# Altium PCB TIDA-010933-RevA.PcbDoc (part 4 of 9)
Units mm, origin at the board's own origin, x right, y up, seen from the top; angles counter-clockwise.
Board outline 230 x 230 mm, 4 copper layers (Top Layer, Layer 1, Layer 2, Bottom Layer), stack 1.637 mm thick; 776 components, 394 nets, 2295 pads, 2783 vias.
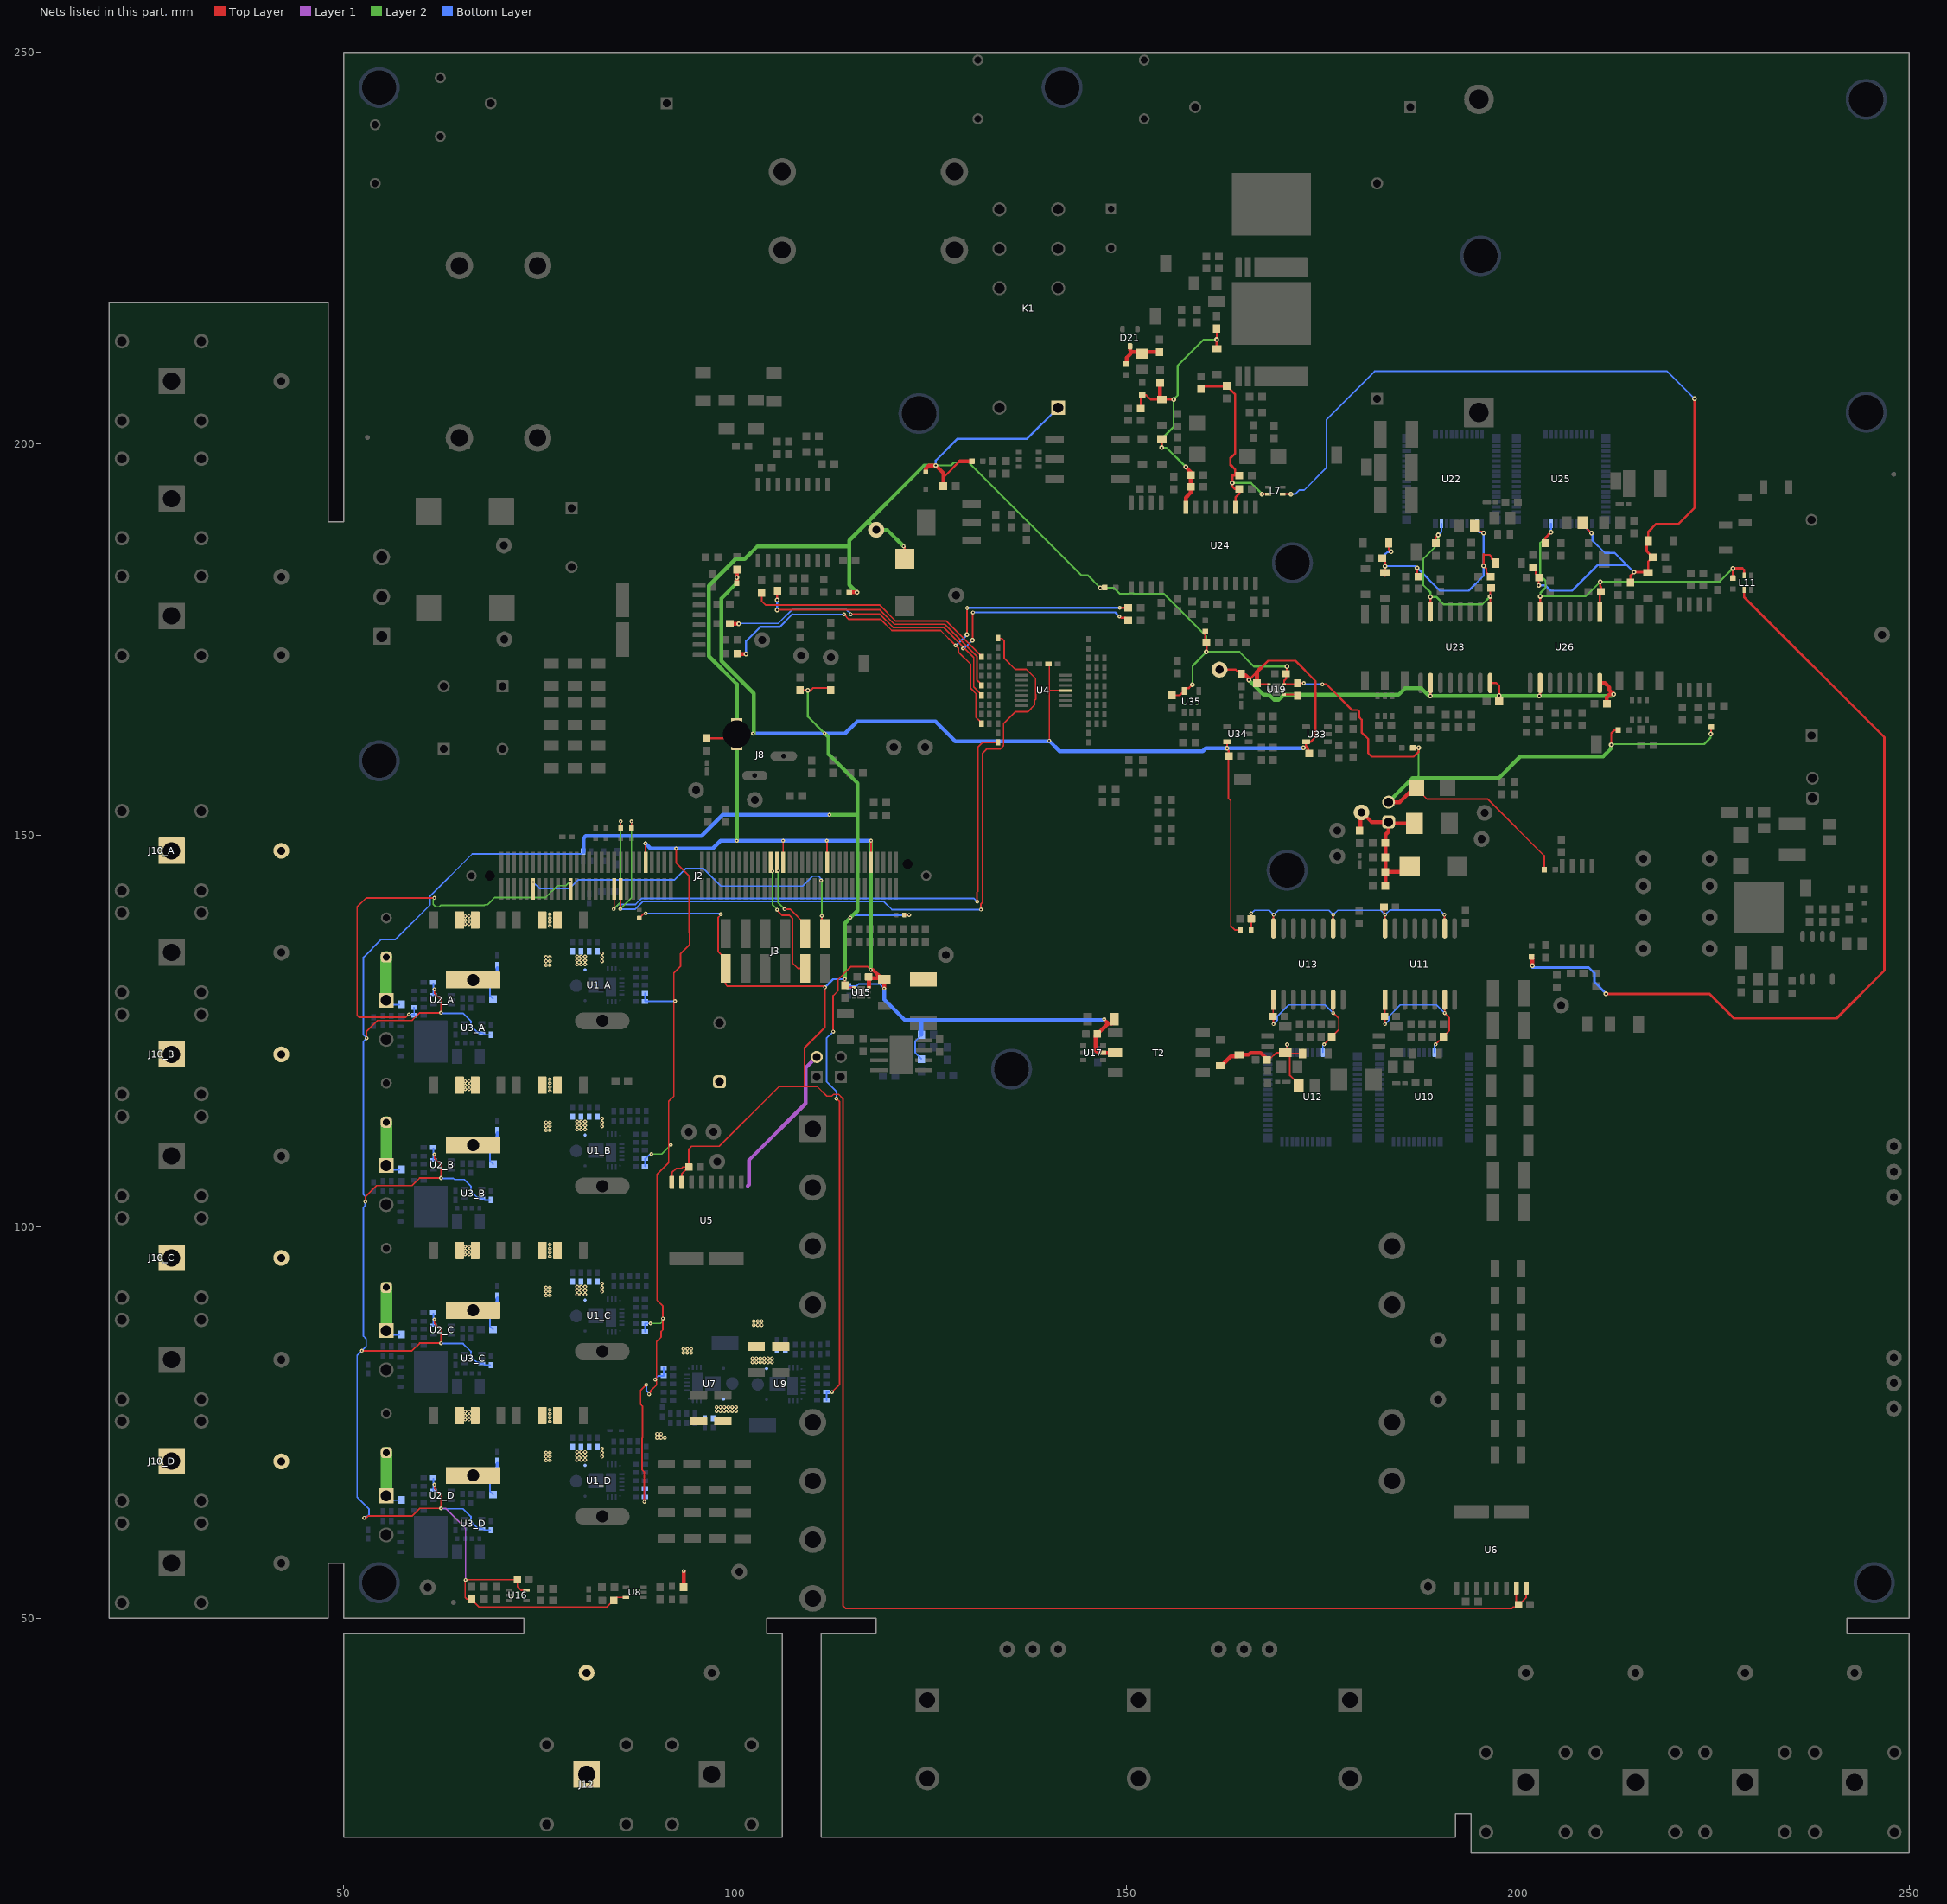
[diagram p6: the nets of this part, all layers, seen from the top]

## Part data (continued)
R80: library part CMP-0081726-1, "RES, 0.56, 1%, 0.2 W, AEC-Q200 Grade 0, 0603", Manufacturer=Vishay-Dale, Power_W=200mW, Supplier Part Number 1=RCWE.56CCT-ND, TempCo="100 ppm/C", Tolerance_%=1%, Value2=0.2W, Value_Code=R560, ValueDisplayed=0.56, AEC Category=Q200, AEC Grade=0, AEC Qualified=Y, ComponentLink1Description="Datasheet link", ComponentLink1URL=http://www.vishay.com/docs/20019/rcwe.pdf, CompType=Resistor, EIA_Code=E96, MountType=SMT, PackageReference=0603, PartNumber=RCWE0603R560FKEA, Res_ohm=0.56, RoHS=Y, SizeArea_mm2=1.28, SizeAreaWB_mm2=4.68, SizeX_mm=1.6, SizeY_mm=0.8, SizeZ_mm=1, Supplier 1=Digi-Key, Supplier 2=Mouser, Supplier Part Number 2=71-RCWE0603R560FKEA, Technology="Thick Film", Value1=1%
R81: library part CMP-0022808-4, "RES, 150 k, 1%, 0.1 W, 0603", Manufacturer=Yageo, Power_W=100mW, Supplier Part Number 1=311-150KHRCT-ND, TempCo="100 ppm/C", Tolerance_%=1%, Value2=0.1W, Value_Code=150k, AEC Category=Q200, AEC Grade=N/A, AEC Qualified=N, ComponentLink1Description="Datasheet link", ComponentLink1URL=http://www.yageo.com/pdf/Pu-RC0603_51_PbFree_L_2.pdf, CompType=Resistor, EIA_Code=E96, MountType=SMT, PackageReference=0603, PartNumber=RC0603FR-07150KL, Res_ohm=150k, RoHS=Y, SizeArea_mm2=1.28, SizeAreaWB_mm2=4.68, SizeX_mm=1.6, SizeY_mm=0.8, SizeZ_mm=1, Supplier 1=Digi-Key, Supplier 2=Mouser, Supplier 3=Farnell, Supplier Part Number 2=603-RC0603FR-07150KL, Supplier Part Number 3=9238743, Technology="Thick Film", Value1=1%, ValueDisplayed=150k, VDC_V=75V
R82: library part CMP-0023129-5, "RES, 470, 1%, 0.1 W, 0603", Manufacturer=Yageo, Power_W=100mW, Supplier Part Number 1=311-470HRCT-ND, TempCo="100 ppm/C", Tolerance_%=1%, Value2=0.1W, Value_Code=470R, ValueDisplayed=470, AEC Category=Q200, AEC Grade=N/A, AEC Qualified=N, ComponentLink1Description="Datasheet link", ComponentLink1URL=http://www.yageo.com/pdf/Pu-RC0603_51_PbFree_L_2.pdf, CompType=Resistor, MountType=SMT, PackageReference=0603, PartNumber=RC0603FR-07470RL, Res_ohm=470, RoHS=Y, SizeArea_mm2=1.28, SizeAreaWB_mm2=4.68, SizeX_mm=1.6, SizeY_mm=0.8, SizeZ_mm=1, Supplier 1=Digi-Key, Supplier 2=Mouser, Supplier 3=Farnell, Supplier Part Number 2=603-RC0603FR-07470RL, Supplier Part Number 3=9238441, Technology="Thick Film", Value1=1%, VDC_V=75V
R83: library part CMP-0021828-3, "RES, 2.20, 1%, 0.125 W, AEC-Q200 Grade 0, 0805", Manufacturer=Panasonic, Power_W=125mW, Supplier Part Number 1=P2.2DCT-ND, TempCo="200 ppm/C", Tolerance_%=1%, Value2=0.125W, Value_Code=2R20, ValueDisplayed=2.20, AEC Category=Q200, AEC Grade=0, AEC Qualified=Y, ComponentLink1Description="Datasheet link", ComponentLink1URL=https://industrial.panasonic.com/cdbs/www-data/pdf/RDN0000/AOA0000C313.pdf, CompType=Resistor, MountType=SMT, PackageReference=0805, PartNumber=ERJ-6RQF2R2V, Res_ohm=2.2, RoHS=Y, SizeArea_mm2=2.5, SizeAreaWB_mm2=6.75, SizeX_mm=2, SizeY_mm=1.25, SizeZ_mm=1.45, Supplier 1=Digi-Key, Supplier 2=Mouser, Supplier 3=Farnell, Supplier Part Number 2=667-ERJ-6RQF2R2V, Supplier Part Number 3=1717803, Technology="Thick Film", Value1=1%
R84: library part CMP-0021950-2, "RES, 6.20, 1%, 0.125 W, 0805", Manufacturer="Yageo America", Power_W=125mW, Supplier Part Number 1=311-6.20CRCT-ND, TempCo="200 ppm/C", Tolerance_%=1%, Value2=0.125W, Value_Code=6R20, ValueDisplayed=6.20, AEC Category=Q200, AEC Qualified=?, ComponentLink1Description="Datasheet link", ComponentLink1URL=http://www.yageo.com/pdf/Pu-RC0805_51_PbFree_L_2.pdf, CompType=Resistor, LatestRevisionDate=2017-03-09, MountType=SMT, PackageReference=0805, PartNumber=RC0805FR-076R2L, Published=2008-06-26, Publisher="Texas Instruments", Res_ohm=6.2, RoHS=Y, SizeArea_mm2=2.5, SizeX_mm=2, SizeY_mm=1.25, SizeZ_mm=1.45, Supplier 1=Digi-Key, Supplier 2=Mouser, Supplier 3=Farnell, Supplier Part Number 2=603-RC0805FR-076R2L, Supplier Part Number 3=1117414, Technology="Thick Film", U/M=EA, Value1=1%, VDC_V=150V
R85: library part CMP-0022339-4, "RES, 33.2 k, 1%, 0.1 W, AEC-Q200 Grade 0, 0603", Manufacturer=Vishay-Dale, Power_W=100mW, Supplier Part Number 1=541-33.2KHCT-ND, TempCo="100 ppm/C", Tolerance_%=1%, Value2=0.1W, Value_Code=33k2, ValueDisplayed=33.2k, AEC Category=Q200, AEC Grade=0, AEC Qualified=Y, ComponentLink1Description="Datasheet link", ComponentLink1URL=http://www.vishay.com/docs/20035/dcrcwe3.pdf, CompType=Resistor, EIA_Code=E96, MountType=SMT, PackageReference=0603, PartNumber=CRCW060333K2FKEA, Res_ohm=33.2k, RoHS=E, SizeArea_mm2=1.28, SizeX_mm=1.6, SizeY_mm=0.8, SizeZ_mm=1, Supplier 1=Digi-Key, Supplier 2=Mouser, Supplier 3=Farnell, Supplier Part Number 2=71-CRCW0603-33.2K-E3, Supplier Part Number 3=1692523, Technology="Thick Film", Value1=1%, VDC_V=75V
R86: library part CMP-0022731-2, "RES, 1.00 M, 1%, 0.125 W, 0603", Manufacturer=Vishay/Beyschlag, Power_W=125mW, Supplier Part Number 1=MCT0603-1.00M-CFCT-ND, TempCo="50 ppm/C", Tolerance_%=1%, Value2=0.125W, Value_Code=1M00, ValueDisplayed=1.00M, AEC Category=Q200, AEC Grade=N/A, AEC Qualified=N, ComponentLink1Description="Datasheet link", ComponentLink1URL=http://www.vishay.com/docs/28705/mcx0x0xpro.pdf, CompType=Resistor, EIA_Code=E96, LatestRevisionDate=2017-03-09, MountType=SMT, PackageReference=0603, PartNumber=MCT06030C1004FP500, Published=2008-06-26, Publisher="Texas Instruments", Res_ohm=1M, RoHS=Y, SizeArea_mm2=1.28, SizeX_mm=1.6, SizeY_mm=0.8, SizeZ_mm=1, Supplier 1=Digi-Key, Supplier 2=Newark, Supplier 3=Mouser, Supplier Part Number 2=06X5971, Supplier Part Number 3=594-MCT06030C1004FP5, Technology="Thin Film", U/M=EA, Value1=1%, VDC_V=75V
R87: library part CMP-0078665-1, "RES, 39.0 k, 1%, 0.1 W, AEC-Q200 Grade 0, 0603", Manufacturer=Panasonic, Power_W=100mW, Supplier Part Number 1=P39.0KHCT-ND, TempCo="100 ppm/C", Tolerance_%=1%, Value2=0.1W, Value_Code=39k0, ValueDisplayed=39.0k, AEC Category=Q200, AEC Grade=0, AEC Qualified=Y, ComponentLink1Description="Datasheet link", ComponentLink1URL=https://industrial.panasonic.com/cdbs/www-data/pdf/RDA0000/AOA0000C304.pdf, CompType=Resistor, MountType=SMT, PackageReference=0603, PartNumber=ERJ3EKF3902V, Res_ohm=39k, RoHS=Y, SizeArea_mm2=1.28, SizeX_mm=1.6, SizeY_mm=0.8, SizeZ_mm=1, Supplier 1=Digi-Key, Supplier 2=Newark, Supplier 3=Mouser, Supplier Part Number 2=64R5345, Supplier Part Number 3=667-ERJ-3EKF3902V, Technology="Thick Film", Value1=1%
R88 R90: library part CMP-0025733-4, "RES, 1.5 k, 5%, 0.1 W, AEC-Q200 Grade 0, 0603", Manufacturer=Vishay-Dale, Power_W=100mW, Supplier Part Number 1=541-1.5KGCT-ND, TempCo="200 ppm/C", Tolerance_%=5%, Value2=0.1W, Value_Code=1k50, ValueDisplayed=1.5k, AEC Category=Q200, AEC Grade=0, AEC Qualified=Y, ComponentLink1Description="Datasheet link", ComponentLink1URL=http://www.vishay.com/docs/20035/dcrcwe3.pdf, CompType=Resistor, EIA_Code=E24, MountType=SMT, PackageReference=0603, PartNumber=CRCW06031K50JNEA, Res_ohm=1.5k, RoHS=E, SizeArea_mm2=1.28, SizeX_mm=1.6, SizeY_mm=0.8, SizeZ_mm=1, Supplier 1=Digi-Key, Supplier 2=Newark, Supplier 3=Mouser, Supplier Part Number 2=59M6753, Supplier Part Number 3=71-CRCW0603J-1.5K-E3, Technology="Thick Film", Value1=5%, VDC_V=75V
R89: library part CMP-0025859-4, "RES, 820, 5%, 0.1 W, AEC-Q200 Grade 0, 0603", Manufacturer=Vishay-Dale, Power_W=100mW, Supplier Part Number 1=541-820GCT-ND, TempCo="200 ppm/C", Tolerance_%=5%, Value2=0.1W, Value_Code=820R, ValueDisplayed=820, AEC Category=Q200, AEC Grade=0, AEC Qualified=Y, ComponentLink1Description="Datasheet link", ComponentLink1URL=http://www.vishay.com/docs/20035/dcrcwe3.pdf, CompType=Resistor, EIA_Code=E24, MountType=SMT, PackageReference=0603, PartNumber=CRCW0603820RJNEA, Res_ohm=820, RoHS=E, SizeArea_mm2=1.28, SizeX_mm=1.6, SizeY_mm=0.8, SizeZ_mm=1, Supplier 1=Digi-Key, Supplier 2=Newark, Supplier 3=Mouser, Supplier Part Number 2=59M8581, Supplier Part Number 3=71-CRCW0603J-820-E3, Technology="Thick Film", Value1=5%, VDC_V=75V
R92: library part CMP-0020959-3, "RES, 1.21 k, 1%, 0.125 W, AEC-Q200 Grade 0, 0805", Manufacturer=Vishay-Dale, Power_W=125mW, Supplier Part Number 1=541-1.21KCCT-ND, TempCo="100 ppm/C", Tolerance_%=1%, Value2=0.125W, Value_Code=1k21, ValueDisplayed=1.21k, AEC Category=Q200, AEC Grade=0, AEC Qualified=Y, ComponentLink1Description="Datasheet link", ComponentLink1URL=http://www.vishay.com/docs/20035/dcrcwe3.pdf, CompType=Resistor, EIA_Code=E96, MountType=SMT, PackageReference=0805, PartNumber=CRCW08051K21FKEA, Res_ohm=1.21k, RoHS=E, SizeArea_mm2=2.5, SizeX_mm=2, SizeY_mm=1.25, SizeZ_mm=1.45, Supplier 1=Digi-Key, Supplier 2=Newark, Supplier 3=Mouser, Supplier Part Number 2=52K9735, Supplier Part Number 3=71-CRCW0805-1.21K-E3, Technology="Thick Film", Value1=1%, VDC_V=150V
R93 R109: library part CMP-0025834-4, "RES, 5.1, 5%, 0.1 W, AEC-Q200 Grade 0, 0603", Manufacturer=Vishay-Dale, Power_W=100mW, Supplier Part Number 1=541-5.1GCT-ND, TempCo="200 ppm/C", Tolerance_%=5%, Value2=0.1W, Value_Code=5R10, ValueDisplayed=5.1, AEC Category=Q200, AEC Grade=0, AEC Qualified=Y, ComponentLink1Description="Datasheet link", ComponentLink1URL=http://www.vishay.com/docs/20035/dcrcwe3.pdf, CompType=Resistor, EIA_Code=E24, MountType=SMT, PackageReference=0603, PartNumber=CRCW06035R10JNEA, Res_ohm=5.1, RoHS=E, SizeArea_mm2=1.28, SizeX_mm=1.6, SizeY_mm=0.8, SizeZ_mm=1, Supplier 1=Digi-Key, Supplier 2=Newark, Supplier 3=Mouser, Supplier Part Number 2=59M6820, Supplier Part Number 3=71-CRCW0603J-5.1-E3, Technology="Thick Film", Value1=5%, VDC_V=75V
R94 R110: library part CMP-0022170-4, "RES, 1.00, 1%, 0.1 W, AEC-Q200 Grade 0, 0603", Manufacturer=Vishay-Dale, Power_W=100mW, Supplier Part Number 1=52K8059, TempCo="100 ppm/C", Tolerance_%=1%, Value2=0.1W, Value_Code=1R00, ValueDisplayed=1.00, AEC Category=Q200, AEC Grade=0, AEC Qualified=Y, ComponentLink1Description="Datasheet link", ComponentLink1URL=http://www.vishay.com/docs/20035/dcrcwe3.pdf, CompType=Resistor, EIA_Code=E96, MountType=SMT, PackageReference=0603, PartNumber=CRCW06031R00FKEA, Res_ohm=1, RoHS=E, SizeArea_mm2=1.28, SizeX_mm=1.6, SizeY_mm=0.8, SizeZ_mm=1, Supplier 1=Newark, Supplier 2=Mouser, Supplier 3=Farnell, Supplier Part Number 2=71-CRCW06031R00FKEA, Supplier Part Number 3=1616871, Technology="Thick Film", Value1=1%, VDC_V=75V
R96 R105 R111: library part CMP-0025701-4, "RES, 10 k, 5%, 0.1 W, AEC-Q200 Grade 0, 0603", Manufacturer=Vishay-Dale, Power_W=100mW, Supplier Part Number 1=541-10KGCT-ND, TempCo="200 ppm/C", Tolerance_%=5%, Value2=0.1W, Value_Code=10k0, ValueDisplayed=10k, AEC Category=Q200, AEC Grade=0, AEC Qualified=Y, ComponentLink1Description="Datasheet link", ComponentLink1URL=http://www.vishay.com/docs/20035/dcrcwe3.pdf, CompType=Resistor, EIA_Code=E24, MountType=SMT, PackageReference=0603, PartNumber=CRCW060310K0JNEA, Res_ohm=10k, RoHS=E, SizeArea_mm2=1.28, SizeX_mm=1.6, SizeY_mm=0.8, SizeZ_mm=1, Supplier 1=Digi-Key, Supplier 2=Newark, Supplier 3=Mouser, Supplier Part Number 2=52K8066, Supplier Part Number 3=71-CRCW0603J-10K-E3, Technology="Thick Film", Value1=5%, VDC_V=75V
R99 R115: library part CMP-0023037-5, "RES, 33.0 k, 1%, 0.1 W, 0603", Manufacturer=Yageo, Power_W=100mW, Supplier Part Number 1=311-33.0KHRCT-ND, TempCo="100 ppm/C", Tolerance_%=1%, Value2=0.1W, Value_Code=33k0, ValueDisplayed=33.0k, AEC Category=Q200, AEC Grade=N/A, AEC Qualified=N, ComponentLink1Description="Datasheet link", ComponentLink1URL=http://www.yageo.com/pdf/Pu-RC0603_51_PbFree_L_2.pdf, CompType=Resistor, MountType=SMT, PackageReference=0603, PartNumber=RC0603FR-0733KL, Res_ohm=33k, RoHS=Y, SizeArea_mm2=1.28, SizeAreaWB_mm2=4.68, SizeX_mm=1.6, SizeY_mm=0.8, SizeZ_mm=1, Supplier 1=Digi-Key, Supplier 2=Mouser, Supplier 3=Farnell, Supplier Part Number 2=603-RC0603FR-0733KL, Supplier Part Number 3=9238662, Technology="Thick Film", Value1=1%, VDC_V=75V
R100 R102 R103 R117 R145 R147 R152 R153 R157 R175 R176 R177 R178 R179: library part CMP-0021998-4, "RES, 10.0 k, 1%, 0.1 W, AEC-Q200 Grade 0, 0603", Manufacturer=Vishay-Dale, Power_W=100mW, Supplier Part Number 1=541-10.0KHCT-ND, TempCo="100 ppm/C", Tolerance_%=1%, Value2=0.1W, Value_Code=10k0, ValueDisplayed=10.0k, AEC Category=Q200, AEC Grade=0, AEC Qualified=Y, ComponentLink1Description="Datasheet link", ComponentLink1URL=http://www.vishay.com/docs/20035/dcrcwe3.pdf, CompType=Resistor, EIA_Code=E96, MountType=SMT, PackageReference=0603, PartNumber=CRCW060310K0FKEA, Res_ohm=10k, RoHS=E, SizeArea_mm2=1.28, SizeX_mm=1.6, SizeY_mm=0.8, SizeZ_mm=1, Supplier 1=Digi-Key, Supplier 2=Newark, Supplier 3=Mouser, Supplier Part Number 2=52K8062, Supplier Part Number 3=71-CRCW0603-10K-E3, Technology="Thick Film", Value1=1%, VDC_V=75V
R101 R116 R183 R184: library part CMP-0025933-5, "RES, 5.6 k, 5%, 0.1 W, 0603", Manufacturer=Yageo, Power_W=100mW, Supplier Part Number 1=311-5.6KGRCT-ND, TempCo="100 ppm/C", Tolerance_%=5%, Value2=0.1W, Value_Code=5k60, ValueDisplayed=5.6k, AEC Category=Q200, AEC Grade=N/A, AEC Qualified=N, ComponentLink1Description="Datasheet link", ComponentLink1URL=http://www.yageo.com/pdf/Pu-RC0603_51_PbFree_L_2.pdf, CompType=Resistor, EIA_Code=E24, MountType=SMT, PackageReference=0603, PartNumber=RC0603JR-075K6L, Res_ohm=5.6k, RoHS=Y, SizeArea_mm2=1.28, SizeAreaWB_mm2=4.68, SizeX_mm=1.6, SizeY_mm=0.8, SizeZ_mm=1, Supplier 1=Digi-Key, Supplier 2=Mouser, Supplier 3=Farnell, Supplier Part Number 2=603-RC0603JR-075K6L, Supplier Part Number 3=9233474, Technology="Thick Film", Value1=5%, VDC_V=75V
R104: library part CMP-0025753-4, "RES, 20 k, 5%, 0.1 W, AEC-Q200 Grade 0, 0603", Manufacturer=Vishay-Dale, Power_W=100mW, Supplier Part Number 1=541-20KGCT-ND, TempCo="200 ppm/C", Tolerance_%=5%, Value2=0.1W, Value_Code=20k0, ValueDisplayed=20k, AEC Category=Q200, AEC Grade=0, AEC Qualified=Y, ComponentLink1Description="Datasheet link", ComponentLink1URL=http://www.vishay.com/docs/20035/dcrcwe3.pdf, CompType=Resistor, EIA_Code=E24, MountType=SMT, PackageReference=0603, PartNumber=CRCW060320K0JNEA, Res_ohm=20k, RoHS=E, SizeArea_mm2=1.28, SizeX_mm=1.6, SizeY_mm=0.8, SizeZ_mm=1, Supplier 1=Digi-Key, Supplier 2=Newark, Supplier 3=Mouser, Supplier Part Number 2=59M6783, Supplier Part Number 3=71-CRCW0603J-20K-E3, Technology="Thick Film", Value1=5%, VDC_V=75V
R106 R108: library part CMP-0025754-4, "RES, 20, 5%, 0.1 W, AEC-Q200 Grade 0, 0603", Manufacturer=Vishay-Dale, Power_W=100mW, Supplier Part Number 1=541-20GCT-ND, TempCo="200 ppm/C", Tolerance_%=5%, Value2=0.1W, Value_Code=20R0, ValueDisplayed=20, AEC Category=Q200, AEC Grade=0, AEC Qualified=Y, ComponentLink1Description="Datasheet link", ComponentLink1URL=http://www.vishay.com/docs/20035/dcrcwe3.pdf, CompType=Resistor, EIA_Code=E24, MountType=SMT, PackageReference=0603, PartNumber=CRCW060320R0JNEA, Res_ohm=20, RoHS=E, SizeArea_mm2=1.28, SizeX_mm=1.6, SizeY_mm=0.8, SizeZ_mm=1, Supplier 1=Digi-Key, Supplier 2=Newark, Supplier 3=Mouser, Supplier Part Number 2=59M6784, Supplier Part Number 3=71-CRCW0603J-20-E3, Technology="Thick Film", Value1=5%, VDC_V=75V
R107: library part CMP-0025892-5, "RES, 18 k, 5%, 0.1 W, 0603", Manufacturer=Yageo, Power_W=100mW, Supplier Part Number 1=311-18KGRCT-ND, TempCo="100 ppm/C", Tolerance_%=5%, Value2=0.1W, Value_Code=18k0, ValueDisplayed=18k, AEC Category=Q200, AEC Grade=N/A, AEC Qualified=N, ComponentLink1Description="Datasheet link", ComponentLink1URL=http://www.yageo.com/pdf/Pu-RC0603_51_PbFree_L_2.pdf, CompType=Resistor, EIA_Code=E24, MountType=SMT, PackageReference=0603, PartNumber=RC0603JR-0718KL, Res_ohm=18k, RoHS=Y, SizeArea_mm2=1.28, SizeAreaWB_mm2=4.68, SizeX_mm=1.6, SizeY_mm=0.8, SizeZ_mm=1, Supplier 1=Digi-Key, Supplier 2=Mouser, Supplier 3=Farnell, Supplier Part Number 2=603-RC0603JR-0718KL, Supplier Part Number 3=9233539, Technology="Thick Film", Value1=5%, VDC_V=75V
R118 R119 R126: library part CMP-0097027-1, "3 kA Varistor 1 Circuit Through Hole Disc 13.2mm", Clamping Voltage=730V, Digikey Part Number=118-ISOM3-275-B-L2-ND, Manufacturer=Bourns, Mouser Part Number=652-ISOM3-275-B-L2, Operating Temperature Range="-40°C to +125°C", ValueDisplayed=30pF, AEC Qualified=No, Cap_F=30pF, ComponentLink1Description=Datasheet, ComponentLink1URL=https://www.bourns.com/docs/product-datasheets/isomov.pdf, datasheet=https://www.bourns.com/docs/product-datasheets/isomov.pdf, Datasheet Path=datasheets/Res-IsoM3-275-B-L2.pdf, Digikey Description="ISOMOV 3KA 275VRMS BULK IN-LINE", helpURL=https://upverter.com/upn/revision/432fc44c5de15415/, Lead Free=Yes, PackageReference=RADIAL, Part Number=IsoM3-275-B-L2, PartNumber=IsoM3-275-B-L2, RoHS=TRUE, SizeZ_mm=19mm, Vc=50A, VDC_V=350V
R120: library part CMP-0018816-2, "RES, 680 k, 0.1%, 1 W, 1206", Manufacturer="Vishay Draloric", Power_W=1W, Supplier Part Number 1=541-2317-1-ND, TempCo="25 ppm/C", Tolerance_%=0.1%, Value_Code=680k, AEC Category=Q200, AEC Grade=N/A, AEC Qualified=N, ComponentLink1Description="Datasheet link", ComponentLink1URL=http://www.vishay.com/docs/28881/tnpve3.pdf, CompType=Resistor, LatestRevisionDate=2017-03-09, MountType=SMT, PackageReference=1206, PartNumber=TNPV1206680KBEEN, Published=2008-06-26, Publisher="Texas Instruments", Res_ohm=680k, RoHS=Y, SizeArea_mm2=5.12, SizeX_mm=3.2, SizeY_mm=1.6, SizeZ_mm=0.65, Supplier 1=Digi-Key, Supplier 2=Newark, Supplier 3=Mouser, Supplier Part Number 2=46Y8555, Supplier Part Number 3=71-TNPV1206680KBEEN, Technology="Thin Film", U/M=EA, Value1=0.1%, Value2=1W, ValueDisplayed=680k, VDC_V=700V
R121 R130: library part CMP-0018815-2, "RES, 560 k, 0.1%, 1 W, 1206", Manufacturer="Vishay Draloric", Power_W=1W, Supplier Part Number 1=541-2316-1-ND, TempCo="25 ppm/C", Tolerance_%=0.1%, Value_Code=560k, AEC Category=Q200, AEC Grade=N/A, AEC Qualified=N, ComponentLink1Description="Datasheet link", ComponentLink1URL=http://www.vishay.com/docs/28881/tnpve3.pdf, CompType=Resistor, LatestRevisionDate=2017-03-09, MountType=SMT, PackageReference=1206, PartNumber=TNPV1206560KBEEN, Published=2008-06-26, Publisher="Texas Instruments", Res_ohm=560k, RoHS=Y, SizeArea_mm2=5.12, SizeX_mm=3.2, SizeY_mm=1.6, SizeZ_mm=0.65, Supplier 1=Digi-Key, Supplier 2=Newark, Supplier 3=Mouser, Supplier Part Number 2=46Y8554, Supplier Part Number 3=71-TNPV1206560KBEEN, Technology="Thin Film", U/M=EA, Value1=0.1%, Value2=1W, ValueDisplayed=560k, VDC_V=700V
R122 R123 R124 R127 R128 R129 R131 R132 R133: library part CMP-0018656-3, "RES, 330 k, 5%, 0.25 W, AEC-Q200 Grade 0, 1206", Manufacturer=Vishay-Dale, Power_W=250mW, Supplier Part Number 1=541-330KECT-ND, TempCo="200 ppm/C", Tolerance_%=5%, Value2=0.25W, Value_Code=330k, AEC Category=Q200, AEC Grade=0, AEC Qualified=Y, ComponentLink1Description="Datasheet link", ComponentLink1URL=http://www.vishay.com/docs/20035/dcrcwe3.pdf, CompType=Resistor, EIA_Code=E24, MountType=SMT, PackageReference=1206, PartNumber=CRCW1206330KJNEA, Res_ohm=330k, RoHS=E, SizeArea_mm2=5.12, SizeX_mm=3.2, SizeY_mm=1.6, SizeZ_mm=1.35, Supplier 1=Digi-Key, Supplier 2=Newark, Supplier 3=Mouser, Supplier Part Number 2=89M6875, Supplier Part Number 3=71-CRCW1206J-330K-E3, Technology="Thick Film", Value1=5%, ValueDisplayed=330k, VDC_V=200V
R125 R140: library part CMP-0078822-1, "RES, 0.002, 1%, 1 W, AEC-Q200 Grade 0, 1206", Manufacturer=Bourns, Power_W=1W, Supplier Part Number 1=CRF1206-FZ-R002ELFCT-ND, TempCo="50 ppm/C", Tolerance_%=1%, Value_Code=2L000, ValueDisplayed=0.002, AEC Category=Q200, AEC Grade=0, AEC Qualified=Y, ComponentLink1Description="Datasheet link", ComponentLink1URL=http://www.bourns.com/docs/Product-Datasheets/crf.pdf, CompType=Resistor, MountType=SMT, PackageReference=1206, PartNumber=CRF1206-FZ-R002ELF, Res_ohm=2m, RoHS=Y, SizeArea_mm2=5.12, SizeX_mm=3.2, SizeY_mm=1.6, SizeZ_mm=1.35, Supplier 1=Digi-Key, Supplier 2=Newark, Supplier 3=Mouser, Supplier Part Number 2=13AC4961, Supplier Part Number 3=652-CRF1206FZR002ELF, Technology="Metal Film", Value1=1%, Value2=1W
R134 R135 R136 R137: library part CMP-0097198-1, "1 MOhms ±0.1% 0.25W, 1/4W Chip Resistor 1206 (3216 Metric) Anti-Sulfur, Automotive AEC-Q200, High Voltage Thin Film", Digikey Part Number=408-RGV3216P-1004-B-T1CT-ND, Manufacturer=Susumu, Mouser Part Number=754-RGV3216P-1004BT1, Operating Temperature Range="-55°C to +155°C", Power_W=250mW, TempCo=25ppm/°C, Tolerance_%=0.1%, AEC Grade="Grade 0", AEC Qualified=Yes, ComponentLink1Description=Datasheet, ComponentLink1URL=https://www.susumu.co.jp/common/pdf/n_catalog_partition39_en.pdf, datasheet=https://www.susumu.co.jp/common/pdf/n_catalog_partition39_en.pdf, Datasheet Path=datasheets/Res-RGV3216P-1004-B-T1.pdf, Digikey Description="RES 1M OHM 0.1% 1/4W 1206", helpURL=https://upverter.com/upn/revision/67a8254e7f59d48f/, Lead Free=Yes, PackageReference=1206, Part Number=RGV3216P-1004-B-T1, PartNumber=RGV3216P-1004-B-T1, Res_ohm=1M, RoHS=TRUE, Series=RGV, SizeZ_mm=0.55mm, Supplier 1=Digikey, Supplier 2=Mouser, Supplier Part Number 1=408-RGV3216P-1004-B-T1CT-ND, Supplier Part Number 2=754-RGV3216P-1004BT1, Technology="Thin Film", VDC_V=700V
R138: library part CMP-0023607-3, "RES, 8.20 k, 0.1%, 0.1 W, 0603", Manufacturer="Susumu Co Ltd", Power_W=100mW, Supplier Part Number 1=RG16P8.2KBCT-ND, TempCo="25 ppm/C", Tolerance_%=0.1%, Value2=0.1W, Value_Code=8k20, ValueDisplayed=8.20k, AEC Category=Q200, AEC Qualified=?, ComponentLink1Description="Datasheet link", ComponentLink1URL=http://www.susumu.co.jp/english/pdf/products-j01-01.pdf, CompType=Resistor, LatestRevisionDate=2017-03-09, MountType=SMT, PackageReference=0603, PartNumber=RG1608P-822-B-T5, Published=2008-06-26, Publisher="Texas Instruments", Res_ohm=8.2k, RoHS=Y, SizeArea_mm2=1.28, SizeX_mm=1.6, SizeY_mm=0.8, SizeZ_mm=1, Supplier 1=Digi-Key, Supplier 2=Mouser, Supplier Part Number 2=754-RG1608P-822-BT5, Technology="Metal Film", U/M=EA, Value1=0.1%, VDC_V=75V